# KiCad board The Typeuwu.kicad_pcb (continued)
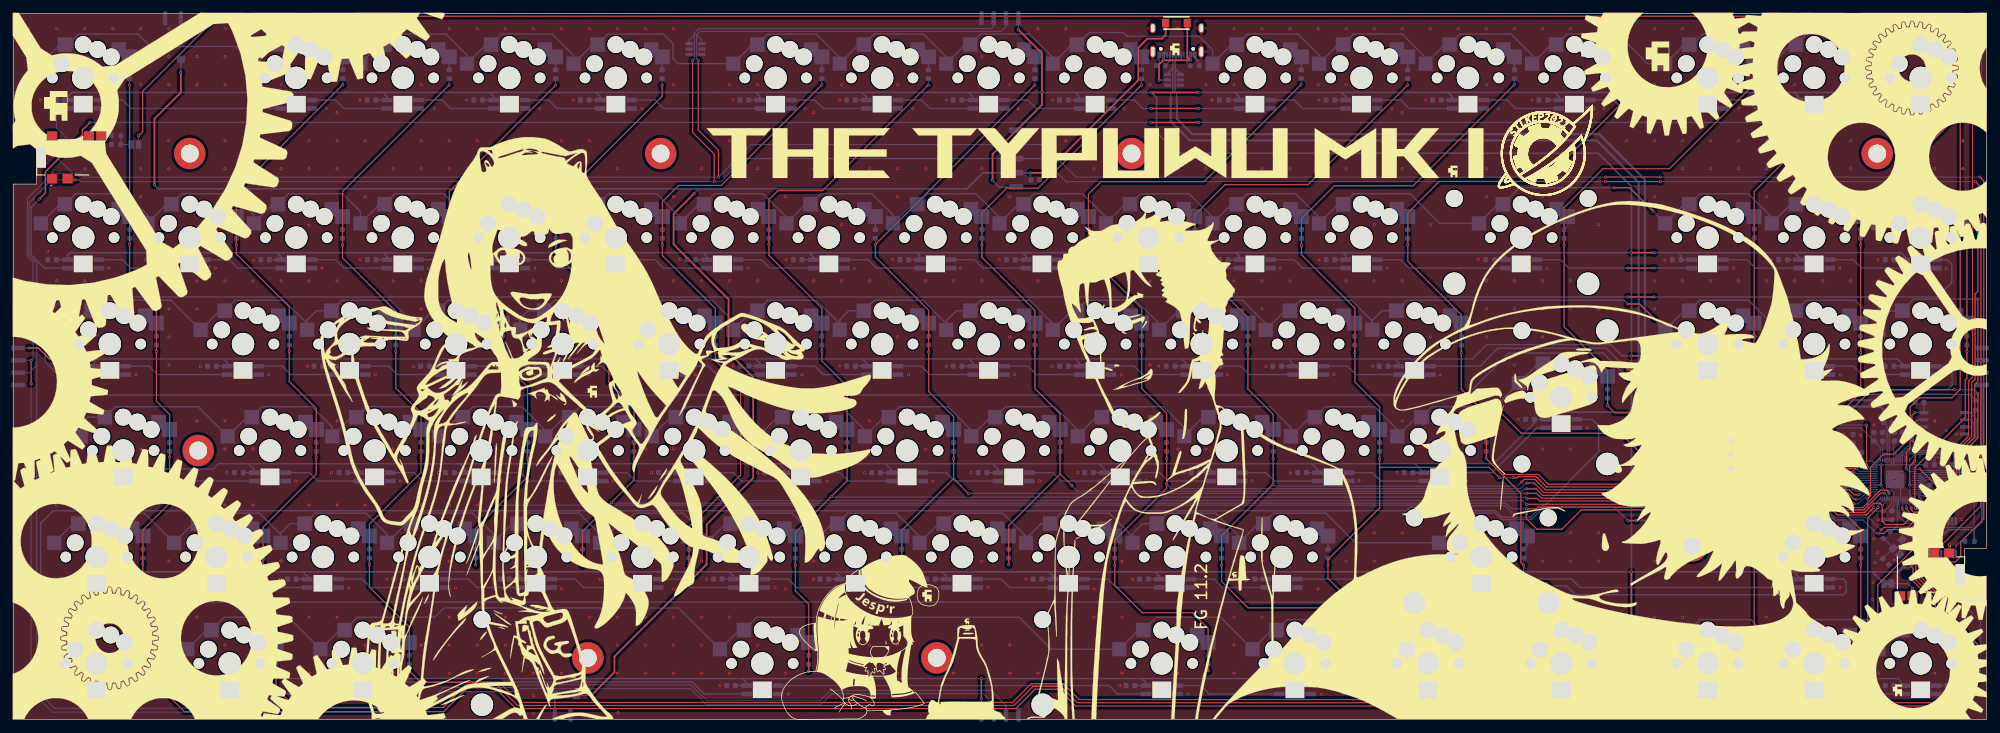
[diagram p0: board, top side]
## Routing (per net, layer and track width the routed paths; a pad name or vN(x,y) marks a point on that pad's centre or on a via; arc(x,y) is an arc through that point) (continued)
  Bottom w0.2: v1(284,96) 188.2,96 188,95.8 183.7,100.1 J7.3 130.4,100.1 126.3,96 v1(125.05,96) 12.1,96 11.8,96.3 ; 11.8,96.3 6.9,96.3 2.85,92.25 2.85,82.8 4.2,81.45 4.2,63.2 ; 11.8,96.3 v1(11.1,96.3) ; v1(121.2,117.6) 121.5,117.9 121.5,122.2 ; J5.2 174.9,123.7 174.5,123.3 122.3,123.3 121.5,122.5 121.5,122.2 ; 121.5,122.2 120.56,121.26 U74.6 ; v1(350,96) v1(293.82,96) ; 4.2,63.2 4.2,5.2 7.4,2 73.1,2 76.8,5.7 89.8,5.7 90.3,6.2 120.9,6.2 123.65,3.45 144.05,3.45 145.8,5.2 174.4,5.2 177.1,2.5 J4.2 ; 4.2,63.2 2.9,61.9 J6.2 ; IC1.12 v1(343.9,28.1) 343.9,26.73 R20.2
I2C0_SDA_3V3: length 21.7
  Bottom w0.2: IC1.3 343.9,36.88 R18.2 344.62,37.6 347.1,37.6 348.9,39.4 348.9,43 347.8,44.1 340.9,44.1 340.25,43.45 U201.6
OUT1_FLAG: length 46.7
  Top w0.2: v1(338,27.9) 338.9,27 338.9,24.7 341.65,21.95 v1(341.65,18.55)
  Bottom w0.2: U201.5 340.19,43.85 340.76,44.43 348.07,44.43 349.8,42.7 349.8,34.63 349.44,34.28 344.38,34.28 v1(338,27.9) ; v1(341.65,18.55) JP2.2
OUT2_FLAG: length 427.6
  Top w0.2: v1(22.35,104.15) 23.1,104.9 23.1,112.1 36.5,125.5 342.1,125.5 348.98,118.62 348.98,109.18 347.3,107.5 347.3,58.9 345.8,57.4 340,57.4 338.37,55.77 338.37,48.37 337.7,47.7 v1(337.7,44.8)
  Bottom w0.2: v1(337.7,44.8) 338.25,44.25 U201.4 ; v1(22.35,104.15) JP4.2
ROW1: length 513.3
  Top w0.2: v1(345.9,43.2) 346.2,43.5 346.2,48 348.8,50.6 348.8,60.4 349.5,61.1 349.5,110 v1(351.1,111.6)
  Bottom w0.2: U105.1 338.85,122.33 347.43,122.33 351.1,118.65 v1(351.1,111.6) ; v1(345.9,43.2) 341,43.2 340.45,42.65 U201.8
  Bottom w0.25: U105.1 336.1,120.45 U105.1 332.69,118.14 328.51,122.33 319.85,122.33 U104.1 317.2,120.45 313.79,117.04 U104.1 313.69,118.14 309.51,122.33 301.47,122.33 299.6,120.45 U103.1 298.1,120.45 U103.1 291.51,117.04 286.23,122.33 277.1,122.33 U102.1 274.35,120.45 U102.1 270.94,118.56 267.17,122.33 258.1,122.33 U101.1 255.35,120.45 U101.1 251.94,118.14 247.76,122.33 239.1,122.33 U100.1 236.35,120.45 U100.1 232.94,118.56 229.17,122.33 220.1,122.33 U99.1 217.35,120.45 U99.1 213.94,119.51 211.5,121.95 198.65,121.95 198,122.6 191.88,122.6 U98.1 188.85,120.45 U98.1 185.44,118.14 181.26,122.33 172.6,122.33 U97.1 169.85,120.45 U97.1 166.44,118.21 162.32,122.33 153.6,122.33 U96.1 150.85,120.45 U96.1 147.44,118.14 143.26,122.33 134.6,122.33 U95.1 131.85,120.45 U95.1 118.56,117.04 117.7,117.9 117.7,120.6 115.97,122.33 106.1,122.33 U94.1 103.35,120.45 U94.1 99.94,118.56 96.17,122.33 87.1,122.33 U93.1 84.35,120.45 U93.1 80.94,118.56 77.17,122.33 68.1,122.33 U92.1 65.35,120.45 U92.1 61.94,118.56 58.17,122.33 49.1,122.33 U91.1 46.35,120.45 U91.1 39.88,120.1 24.5,120.1 22.27,122.33 11.72,122.33 10.62,121.23 10.62,119.75 9.93,119.75 U90.1 8.35,120.45 U90.1
ROW2: length 489.7
  Top w0.2: v1(345.9,42.3) 346.7,43.1 346.7,47.9 349.35,50.55 349.35,60.15 349.95,60.75 349.95,75.9 350.45,76.4 v1(350.45,92.15)
  Top w0.25: v1(292.55,90.7) 288.35,94.9 v1(285.55,94.9)
  Bottom w0.2: U201.9 340.65,42.25 341.15,42.75 344.75,42.75 345.2,42.3 v1(345.9,42.3)
  Bottom w0.25: U1.1 8.35,91.95 U1.1 11.1,93.83 20.17,93.83 23.94,90.06 U2.1 27.35,91.95 U2.1 30.1,93.83 39.17,93.83 42.94,90.06 U3.1 46.35,91.95 U3.1 49.1,93.83 58.77,93.83 61.94,90.66 U4.1 65.35,91.95 U4.1 68.1,93.83 76.78,93.83 80.94,89.66 U5.1 84.35,91.95 U5.1 87.1,93.83 96.17,93.83 99.94,90.06 U6.1 103.35,91.95 U6.1 106.1,93.83 114.76,93.83 118.94,89.64 U7.1 122.35,91.95 U7.1 125.1,93.83 133.76,93.83 137.94,89.64 U8.1 141.35,91.95 U8.1 144.1,93.83 153.17,93.83 156.94,90.06 U9.1 160.35,91.95 U9.1 163.1,93.83 171.76,93.83 175.94,89.64 U10.1 179.35,91.95 U10.1 182.1,93.83 190.76,93.83 194.94,89.64 U11.1 198.35,91.95 U11.1 201.1,93.83 209.76,93.83 213.94,89.64 U12.1 217.35,91.95 U12.1 220.1,93.83 228.76,93.83 232.94,89.64 U13.1 236.35,91.95 U13.1 239.1,93.83 249.18,93.83 254.46,88.54 U14.1 264.85,91.95 U14.1 268.68,94.9 v1(285.55,94.9) ; v1(292.55,90.7) 294.69,88.56 U63.1 298.1,91.95 U63.1 300.85,93.83 309.51,93.83 313.69,89.64 U64.1 317.1,91.95 U64.1 319.85,93.83 328.51,93.83 332.69,89.64 U65.1 332.69,89.84 334.8,91.95 U65.1 338.85,93.83 348.77,93.83 v1(350.45,92.15)
ROW3: length 467.8
  Top w0.2: v1(345.9,41.45) 347.2,42.75 347.2,47.7 349.9,50.4 349.9,59.75 350.45,60.3 v1(350.45,75.05)
  Top w0.25: v1(292.75,71.5) 290.1,74.15 v1(288,74.15)
  Bottom w0.2: v1(345.9,41.45) 345.6,41.45 345.1,40.95 340.7,40.95 340.2,41.45 U201.11
  Bottom w0.25: v1(292.75,71.5) 292.75,71.48 U66.1 298.1,72.95 U66.1 300.85,74.83 309.52,74.83 313.69,70.66 U67.1 317.1,72.95 U67.1 319.85,74.83 328.51,74.83 332.69,70.64 U68.1 332.69,71.19 334.41,72.91 334.8,72.91 334.81,72.9 336.93,72.9 U68.1 339.05,75.03 350.43,75.03 v1(350.45,75.05) ; U15.1 13.1,72.95 U15.1 15.85,74.83 28.15,74.83 U16.1 36.85,72.95 U16.1 39.6,74.83 48.26,74.83 52.44,70.64 U17.1 52.44,71.29 54.1,72.95 U17.1 58.6,74.83 67.28,74.83 71.44,70.66 U18.1 74.85,72.95 U18.1 77.6,74.83 86.67,74.83 90.44,71.06 U19.1 90.44,71.59 91.8,72.95 U19.1 96.6,74.83 105.26,74.83 109.44,70.64 U20.1 109.44,71.19 111.2,72.95 U20.1 115.6,74.83 124.67,74.83 128.44,71.06 U21.1 131.85,72.95 U21.1 134.6,74.83 143.26,74.83 147.44,70.64 U22.1 147.44,71.34 149.05,72.95 U22.1 153.6,74.83 162.26,74.83 166.44,70.64 U23.1 166.44,71.14 168.25,72.95 U23.1 172.6,74.83 181.26,74.83 185.44,70.64 U24.1 188.85,72.95 U24.1 191.6,74.83 200.26,74.83 204.44,70.64 U25.1 207.85,72.95 U25.1 210.6,74.83 219.26,74.83 223.44,70.64 U26.1 226.85,72.95 U26.1 229.6,74.83 238.67,74.83 242.44,71.06 U27.1 242.44,71.24 244.15,72.95 U27.1 248.6,74.83 287.32,74.83 v1(288,74.15)
ROW4: length 453.8
  Top w0.2: v1(346.25,58.85) 331.45,58.85 321.53,48.93 321.53,48.43 320.5,47.4 319.05,47.4 314.25,42.6 295.2,42.6 286.7,51.1 269,51.1 v1(264.3,55.8) ; v1(350.45,58.2) 350.45,50.25 347.7,47.5 347.7,42.3 345.95,40.55 v1(345.9,40.55)
  Bottom w0.2: v1(346.25,58.85) 349.8,58.85 v1(350.45,58.2) ; v1(345.9,40.55) 340.4,40.55 339.9,41.05 U201.12
  Bottom w0.25: U28.1 271.97,63.45 U28.1 264.34,55.83 264.32,55.83 v1(264.3,55.8) 264.27,55.83 253.07,55.83 U41.1 250.32,53.95 U41.1 246.91,51.74 242.82,55.83 234.07,55.83 U40.1 231.32,53.95 U40.1 227.91,52.06 224.14,55.83 215.07,55.83 U39.1 212.2,53.95 208.91,50.66 U39.1 208.91,52.06 205.14,55.83 196.07,55.83 U38.1 193.2,53.95 189.91,50.66 U38.1 189.91,51.64 185.73,55.83 177.07,55.83 U37.1 174.32,53.95 U37.1 170.91,51.64 166.73,55.83 158.07,55.83 U36.1 155.32,53.95 U36.1 151.91,51.64 147.73,55.83 139.07,55.83 U35.1 136.32,53.95 U35.1 132.91,51.64 128.73,55.83 120.07,55.83 U34.1 117.32,53.95 U34.1 113.91,52.06 110.14,55.83 101.07,55.83 U33.1 98.32,53.95 U33.1 94.91,51.64 90.73,55.83 82.07,55.83 U32.1 79.32,53.95 U32.1 75.91,51.64 71.73,55.83 63.07,55.83 U31.1 60.32,53.95 U31.1 56.91,52.19 53.27,55.83 44.42,55.83 U30.1 41.67,53.95 U30.1 32.97,55.83 18.23,55.83 U29.1 13.3,53.95 12.06,52.71 U29.1
ROW5: length 411
  Top w0.2: v1(337.7,37.8) 337.7,37.5 338.55,36.65 339.05,36.65 339.6,36.1 339.6,35.2 338.3,33.9 334.4,33.9 333.7,33.2 v1(332.75,33.2)
  Top w0.25: v1(289.55,35.5) v1(288.02,35.5)
  Bottom w0.2: v1(337.7,37.8) 337.7,38.4 337.45,38.65 U201.17
  Bottom w0.25: v1(332.75,33.2) 332.35,33.2 329.95,35.6 328.98,35.6 328.96,35.61 326.16,35.61 326.14,35.6 324.92,35.6 323.7,36.83 319.85,36.83 U69.1 317.1,34.95 U69.1 313.31,31.54 309.35,35.5 v1(289.55,35.5) ; v1(288.02,35.5) 285.64,37.88 273.03,37.88 270.84,35.7 265.45,35.7 264.32,36.83 260.48,36.83 U54.1 257.72,34.95 U54.1 239.41,31.54 234.12,36.83 224.85,36.83 U53.1 222.1,34.95 U53.1 218.69,32.64 214.51,36.83 205.85,36.83 U52.1 201.45,34.95 199.69,33.19 U52.1 199.69,32.64 195.51,36.83 186.85,36.83 U51.1 183.35,34.95 180.69,32.29 U51.1 180.69,32.64 176.51,36.83 167.85,36.83 U50.1 165.1,34.95 U50.1 161.69,32.64 157.51,36.83 148.85,36.83 U49.1 146.1,34.95 U49.1 142.69,33.06 138.92,36.83 129.85,36.83 U48.1 127.1,34.95 U48.1 123.69,32.64 119.51,36.83 110.85,36.83 U47.1 108.1,34.95 U47.1 104.69,33.06 100.92,36.83 91.85,36.83 U46.1 89.1,34.95 U46.1 85.69,33.06 81.92,36.83 72.85,36.83 U45.1 70.1,34.95 U45.1 66.69,33.06 62.92,36.83 53.85,36.83 U44.1 49.4,34.95 47.69,33.24 U44.1 47.69,33.06 43.92,36.83 34.85,36.83 U43.1 32.1,34.95 U43.1 23.4,36.83 13.47,36.83 U42.1 10.72,34.95 U42.1
ROW6: length 410.8
  Top w0.2: v1(331.75,17.8) 332.6,18.65 332.6,24.05 341.15,32.6 341.15,35.7 339.85,37 339,37 338.55,37.45 v1(338.55,37.75)
  Bottom w0.2: U201.16 337.85,38.73 338.55,38.02 v1(338.55,37.75)
  Bottom w0.25: 328.51,17.83 328.53,17.8 v1(331.75,17.8) ; 328.51,17.83 332.69,13.64 U72.1 336.1,15.95 U72.1 ; 328.51,17.83 319.85,17.83 U71.1 316.05,15.95 313.69,13.59 U71.1 313.69,14.06 309.92,17.83 300.85,17.83 U70.1 298.1,15.95 U70.1 289.4,17.83 274.73,17.83 U62.1 271.97,15.95 U62.1 263.28,17.83 250.97,17.83 U61.1 248.22,15.95 U61.1 239.53,17.83 227.22,17.83 U60.1 224.47,15.95 U60.1 215.35,18.25 203.9,18.25 U59.1 200.72,15.95 U59.1 185.16,12.54 179.45,18.25 132.65,18.25 U58.1 129.47,15.95 U58.1 118.7,19.9 76.85,19.9 75.2,18.25 61.4,18.25 U57.1 58.22,15.95 U57.1 49.1,18.25 37.65,18.25 U56.1 34.47,15.95 U56.1 25.35,18.25 13.9,18.25 U55.1 10.72,15.95 U55.1
USBD+: length 188.7
  Bottom w0.25: 207.5,117.76 208.2,117.76 208.35,117.91 208.35,118.65 ; 207.5,117.76 207.26,117.52 207.26,116.2 ; 207.5,117.76 207.35,117.91 207.35,118.65 ; 207.26,116.2 207.26,116.19 208.19,115.26 U73.1 ; 207.26,116.2 207.26,112.09 207.55,111.8 207.55,111.04 207.59,111
  Bottom w0.412: 207.59,111 207.59,107.2 210.33,104.46 282.93,104.46 291.06,96.33 291.06,57.04 292.24,55.86 297.87,55.86 298.97,56.96 333.74,56.96 335.23,55.48 R4.1
USBD-: length 189.4
  Bottom w0.25: 206.85,116.25 206.85,112.1 206.5,111.75 206.5,111.02 206.48,111 ; 206.85,116.25 205.91,115.31 U73.6 ; 206.85,116.25 J1.B7 206.85,119.35 207,119.5 207.7,119.5 207.85,119.35 J1.A7
  Bottom w0.412: R5.1 333.7,55.2 333.06,55.84 299.43,55.84 298.33,54.74 291.56,54.74 289.94,56.36 289.94,95.87 282.47,103.34 209.87,103.34 206.48,106.74 206.48,111
Net-(C1-Pad2): length 5.2
  Bottom w0.2: C1.2 333.52,28.7 Y1.1 333.61,32.34 R1.1
Net-(D1-A): length 2.3
  Bottom w0.25: D1.2 20.77,87.46 U1.2
Net-(D2-A): length 2.3
  Bottom w0.25: U2.2 39.77,87.46 D2.2
Net-(D02-A): length 3.4
  Bottom w0.3: J8.2 D02.2
Net-(D3-A): length 2.3
  Bottom w0.25: D3.2 58.77,87.46 U3.2
Net-(D03-A): length 3.5
  Bottom w0.3: D03.2 96.6,4.27 96.6,0.91 96.56,0.87
Net-(D4-A): length 2.3
  Bottom w0.25: D4.2 77.78,87.46 U4.2
Net-(D5-A): length 2.3
  Bottom w0.25: U5.2 96.78,87.46 D5.2
Net-(D6-A): length 2.3
  Bottom w0.25: D6.2 115.78,87.46 U6.2
Net-(D7-A): length 2.3
  Bottom w0.25: U7.2 134.78,87.46 D7.2
Net-(D8-A): length 2.3
  Bottom w0.25: U8.2 153.78,87.46 D8.2
Net-(D9-A): length 2.3
  Bottom w0.25: D9.2 172.78,87.46 U9.2
Net-(D10-A): length 2.3
  Bottom w0.25: D10.2 191.78,87.46 U10.2
Net-(D11-A): length 2.3
  Bottom w0.25: U11.2 210.78,87.46 D11.2
Net-(D12-A): length 2.3
  Bottom w0.25: D12.2 229.78,87.46 U12.2
Net-(D13-A): length 2.3
  Bottom w0.25: U13.2 248.78,87.46 D13.2
Net-(D14-A): length 2.6
  Bottom w0.25: D14.2 277.27,88.06 U14.2
Net-(D15-A): length 2.2
  Bottom w0.25: U15.2 25.52,68.56 25.55,68.54
Net-(D16-A): length 2.3
  Bottom w0.25: U16.2 49.27,68.51 49.25,68.49
Net-(D17-A): length 2.2
  Bottom w0.25: U17.2 68.28,68.58 68.25,68.55
Net-(D18-A): length 2.4
  Bottom w0.2: D18.2 87.28,68.42 U18.2
Net-(D19-A): length 2.2
  Bottom w0.25: U19.2 106.28,68.56 106.25,68.54
Net-(D20-A): length 2.2
  Bottom w0.25: U20.2 125.28,68.55 125.25,68.53
Net-(D21-A): length 2.2
  Bottom w0.25: U21.2 144.28,68.56 144.25,68.54
Net-(D22-A): length 2.2
  Bottom w0.25: U22.2 163.28,68.55 163.3,68.53
Net-(D23-A): length 2.2
  Bottom w0.25: U23.2 182.28,68.6 182.25,68.58
Net-(D24-A): length 2.2
  Bottom w0.25: 201.3,68.53 201.28,68.55 U24.2
Net-(D25-A): length 2.1
  Bottom w0.25: U25.2 220.28,68.65 220.25,68.62
Net-(D26-A): length 2.2
  Bottom w0.25: U26.2 239.28,68.55 239.3,68.53
Net-(D27-A): length 2.2
  Bottom w0.25: 258.3,68.54 258.27,68.56 U27.2
Net-(D28-A): length 2.2
  Bottom w0.25: 284.4,59.02 284.39,59.03 U28.2
Net-(D29-A): length 2.2
  Bottom w0.25: U29.2 27.9,49.52
Net-(D30-A): length 2.4
  Bottom w0.25: 54.05,49.4 54.09,49.45 U30.2
Net-(D31-A): length 2.5
  Bottom w0.25: U31.2 72.75,49.29
Net-(D32-A): length 2.3
  Bottom w0.25: D32.2 91.75,49.44 U32.2
Net-(D33-A): length 2.4
  Bottom w0.25: U33.2 110.75,49.38
Net-(D34-A): length 2.2
  Bottom w0.25: U34.2 129.75,49.54 129.75,49.54
Net-(D35-A): length 2.3
  Bottom w0.25: U35.2 148.75,49.44 D35.2
Net-(D36-A): length 2.2
  Bottom w0.25: 167.75,49.54 167.75,49.54 U36.2
Net-(D37-A): length 2.3
  Bottom w0.25: D37.2 186.75,49.44 U37.2
Net-(D38-A): length 2.3
  Bottom w0.25: U38.2 205.75,49.43
Net-(D39-A): length 2.3
  Bottom w0.25: U39.2 224.75,49.43
Net-(D40-A): length 2.2
  Bottom w0.25: 243.75,49.52 243.75,49.53 U40.2
Net-(D41-A): length 2.2
  Bottom w0.25: U41.2 262.75,49.53 262.75,49.52
Net-(D42-A): length 2.4
  Bottom w0.25: U42.2 D42.2
Net-(D43-A): length 2.4
  Bottom w0.25: D43.2 44.52,30.41 U43.2
Net-(D44-A): length 2.4
  Bottom w0.25: D44.2 63.52,30.41 U44.2
Net-(D45-A): length 2.4
  Bottom w0.25: D45.2 82.53,30.41 U45.2
Net-(D46-A): length 2.4
  Bottom w0.25: D46.2 101.53,30.41 U46.2
Net-(D47-A): length 2.4
  Bottom w0.25: U47.2 120.53,30.41 D47.2
Net-(D48-A): length 2.4
  Bottom w0.25: D48.2 139.53,30.41 U48.2
Net-(D49-A): length 2.4
  Bottom w0.25: D49.2 158.53,30.41 U49.2
Net-(D50-A): length 2.4
  Bottom w0.25: D50.2 177.53,30.41 U50.2
Net-(D51-A): length 2.4
  Bottom w0.25: U51.2 196.53,30.41 D51.2
Net-(D52-A): length 2.4
  Bottom w0.25: D52.2 215.55,32.73 U52.2
Net-(D53-A): length 2.4
  Bottom w0.25: U53.2 234.53,30.41 D53.2
Net-(D54-A): length 2.7
  Bottom w0.25: U54.2 270.15,31.09 D54.2
Net-(D55-A): length 2.3
  Bottom w0.25: U55.2 D55.2
Net-(D56-A): length 2.3
  Bottom w0.25: U56.2 D56.2
Net-(D57-A): length 2.3
  Bottom w0.25: U57.2 D57.2
Net-(D58-A): length 2.3
  Bottom w0.25: U58.2 D58.2
Net-(D59-A): length 2.3
  Bottom w0.25: U59.2 D59.2
Net-(D60-A): length 2.3
  Bottom w0.25: U60.2 D60.2
Net-(D61-A): length 2.3
  Bottom w0.25: U61.2 D61.2
Net-(D62-A): length 2.3
  Bottom w0.25: U62.2 D62.2
Net-(D63-A): length 2.2
  Bottom w0.25: D63.2 310.52,87.55 U63.2
Net-(D64-A): length 2.3
  Bottom w0.25: D64.2 329.52,87.5 U64.2
Net-(D65-A): length 2.2
  Bottom w0.25: U65.2 348.52,87.56 D65.2
Net-(D66-A): length 2.2
  Bottom w0.25: U66.2 310.52,68.56 310.5,68.54
Net-(D67-A): length 2.3
  Bottom w0.25: U67.2 329.52,68.51 329.5,68.49
Net-(D68-A): length 2.2
  Bottom w0.25: 348.5,68.53 348.5,70.72 U68.2
Net-(D69-A): length 2.4
  Bottom w0.25: U69.2 329.52,30.41 D69.2
Net-(D70-A): length 2.3
  Bottom w0.25: D70.2 310.52,11.46 U70.2
Net-(D71-A): length 2.3
  Bottom w0.25: D71.2 329.52,11.46 U71.2
Net-(D72-A): length 2.3
  Bottom w0.25: D72.2 348.52,11.46 U72.2
Net-(D90-A): length 2.3
  Bottom w0.25: U90.2 20.77,115.96 D90.2
Net-(D91-A): length 2.3
  Bottom w0.25: D91.2 58.77,115.96 U91.2
Net-(D92-A): length 2.3
  Bottom w0.25: U92.2 77.78,115.96 D92.2
Net-(D93-A): length 2.3
  Bottom w0.25: D93.2 96.78,115.96 U93.2
Net-(D94-A): length 2.3
  Bottom w0.25: U94.2 115.78,115.96 D94.2
Net-(D95-A): length 2.3
  Bottom w0.25: U95.2 144.28,115.96 D95.2
Net-(D96-A): length 2.3
  Bottom w0.25: D96.2 163.28,115.96 U96.2
Net-(D97-A): length 2.3
  Bottom w0.25: U97.2 182.28,115.96 D97.2
Net-(D98-A): length 2.3
  Bottom w0.25: D98.2 201.28,115.96 U98.2
Net-(D99-A): length 2.3
  Bottom w0.25: D99.2 229.78,115.96 U99.2
Net-(D100-A): length 2.3
  Bottom w0.25: U100.2 248.78,115.96 D100.2
Net-(D101-A): length 2.3
  Bottom w0.25: U101.2 267.77,115.96 D101.2
Net-(D102-A): length 2.3
  Bottom w0.25: D102.2 286.77,115.96 U102.2
Net-(D103-A): length 2.3
  Bottom w0.25: U103.2 310.52,116.01 D103.2
Net-(D104-A): length 2.3
  Bottom w0.25: U104.2 329.52,115.95 D104.2
Net-(D105-A): length 2.4
  Bottom w0.25: D105.2 348.52,115.9 U105.2
Net-(DL1-K): length 1.6
  Bottom w0.2: DL1.1 301.85,46.58 R10.1
Net-(DL2-K): length 1.6
  Bottom w0.2: R11.1 298.5,46.59 DL2.1
Net-(IC1-EN): length 3.4
  Bottom w0.2: IC1.8 346.5,30.9 347.4,31.8 R21.2
Net-(J1-CC1): length 2.3
  Bottom w0.25: R6.1 206.35,117.53 J1.A5
Net-(J1-CC2): length 2.1
  Bottom w0.25: J1.B5 209.35,117.28 R7.1
Net-(JP1-A): length 5.5
  Top w0.2: v1(338.8,23.42) S1.2
  Bottom w0.2: v1(338.8,23.42) 337.98,24.25 JP1.1
Net-(JP2-A): length 3.6
  Bottom w0.2: R13.2 R12.2 338.27,20.08 JP2.1
Net-(JP3-A): length 3.2
  Top w0.2: S2.2 14,103.65 v1(14,102.85)
  Bottom w0.2: v1(14,102.85) 13.05,101.9 JP3.1
Net-(JP4-A): length 3.4
  Bottom w0.2: R15.2 R16.2 JP4.1
Net-(S1-TIP_SWITCH): length 2
  Top w0.2: v1(336.6,21.03) S1.10
  Bottom w0.2: R12.1 v1(336.6,21.03)
Net-(S2-TIP_SWITCH): length 1.8
  Top w0.2: v1(16.9,104.15) S2.10
  Bottom w0.2: R15.1 v1(16.9,104.15)
Net-(U1-Din): length 14
  Bottom w0.25: U1.3 19.5,82.05 21,80.55 U2.5
Net-(U1-Dout): length 373.5
  Top w0.25: v1(4.65,92.85) 5.75,93.95 5.75,97.75 12.35,104.35 12.35,105.2 v1(13.7,106.55) ; v1(211.45,106.55) v1(203,106.55)
  Bottom w0.25: v1(211.45,106.55) 344.85,106.55 346.1,107.8 346.1,109.45 345,110.55 U105.3 ; U1.5 5.6,80.55 3.2,82.95 3.2,91.4 v1(4.65,92.85) ; v1(203,106.55) v1(13.7,106.55)
Net-(U2-Din): length 14
  Bottom w0.25: U3.5 40,80.55 38.5,82.05 U2.3
Net-(U3-Din): length 14
  Bottom w0.25: U3.3 57.5,82.05 59,80.55 U4.5
Net-(U4-Din): length 14
  Bottom w0.25: U5.5 78,80.55 76.5,82.05 U4.3
Net-(U5-Din): length 14
  Bottom w0.25: U6.5 96.95,80.55 95.45,82.05 U5.3
Net-(U6-Din): length 14
  Bottom w0.25: U6.3 114.5,82.05 116,80.55 U7.5
Net-(U7-Din): length 14
  Bottom w0.25: U8.5 135,80.55 133.5,82.05 U7.3
Net-(U8-Din): length 14
  Bottom w0.25: U9.5 154,80.55 152.5,82.05 U8.3
Net-(U10-Din): length 14
  Bottom w0.25: U10.3 190.5,82.05 192,80.55 U11.5
Net-(U10-Dout): length 14
  Bottom w0.25: U9.3 171.5,82.05 173,80.55 U10.5
Net-(U11-Din): length 14
  Bottom w0.25: U11.3 209.5,82.05 211,80.55 U12.5
Net-(U12-Din): length 14
  Bottom w0.25: U12.3 228.5,82.05 230,80.55 U13.5
Net-(U13-Din): length 23.5
  Bottom w0.25: U14.5 249,80.55 247.5,82.05 U13.3
Net-(U14-Din): length 28.3
  Top w0.25: v1(288.05,80.55) v1(292.75,80.55)
  Bottom w0.25: U14.3 276,82.05 277.5,80.55 v1(288.05,80.55) ; v1(292.75,80.55) U63.5
Net-(U15-Din): length 18.8
  Bottom w0.25: U15.3 24.25,63.05 25.75,61.55 U16.5
Net-(U15-Dout): length 366.8
  Top w0.25: v1(288,75.4) v1(292.7,75.4)
  Bottom w0.25: U65.3 345,82.05 345.8,81.25 345.8,77.95 343.26,75.41 292.71,75.41 v1(292.7,75.4) ; U15.5 7.95,61.55 5.7,63.8 5.7,71.9 9.21,75.41 287.99,75.41 v1(288,75.4)
Net-(U16-Din): length 14
  Bottom w0.25: U16.3 48,63.05 49.5,61.55 U17.5
Net-(U17-Din): length 14
  Bottom w0.25: U17.3 67,63.05 68.5,61.55 U18.5
Net-(U18-Din): length 14
  Bottom w0.25: U19.5 87.5,61.55 86,63.05 U18.3
Net-(U19-Din): length 14
  Bottom w0.25: U20.5 106.5,61.55 105,63.05 U19.3
Net-(U20-Din): length 14
  Bottom w0.25: U20.3 124,63.05 125.5,61.55 U21.5
Net-(U21-Din): length 14
  Bottom w0.25: U22.5 144.5,61.55 143,63.05 U21.3
Net-(U22-Din): length 14
  Bottom w0.25: U23.5 163.5,61.55 162,63.05 U22.3
Net-(U23-Din): length 14
  Bottom w0.25: U23.3 181,63.05 182.5,61.55 U24.5
Net-(U24-Din): length 14
  Bottom w0.25: U24.3 200,63.05 201.5,61.55 U25.5
Net-(U25-Din): length 14
  Bottom w0.25: U26.5 220.5,61.55 219,63.05 U25.3
Net-(U26-Din): length 14
  Bottom w0.25: U27.5 239.5,61.55 238,63.05 U26.3
Net-(U27-Din): length 49.9
  Top w0.25: v1(292.75,61.55) 291.93,62.38 v1(288.02,62.38)
  Bottom w0.25: U27.3 261.65,63.05 264.85,66.25 284.15,66.25 v1(288.02,62.38) ; v1(292.75,61.55) U66.5
Net-(U28-Din): length 312
  Bottom w0.25: U28.3 281.65,53.55 282.8,52.4 282.8,47.75 273.31,38.26 272.87,38.26 270.71,36.1 265.58,36.1 264.43,37.25 251.36,37.25 250.72,37.88 249.15,37.88 248.52,37.25 7.15,37.25 4.9,35 4.9,24 5.35,23.55 U42.5
Net-(U28-Dout): length 19.4
  Bottom w0.25: U41.3 263.8,44.05 271.8,52.05 U28.5
Net-(U29-Din): length 21.2
  Bottom w0.25: U29.3 26.6,44.05 28.1,42.55 U30.5
Net-(U29-Dout): length 371.7
  Top w0.25: v1(288.02,60.98) 291.55,57.45 v1(296.6,57.45)
  Bottom w0.25: U68.3 344.75,63.05 345.85,61.95 345.85,59.7 345,58.85 298,58.85 v1(296.6,57.45) ; v1(288.02,60.98) 283.6,65.4 266.8,65.4 259.3,57.9 11.65,57.9 7.6,53.85 7.6,45.2 10.25,42.55 U29.5
Net-(U30-Din): length 13.7
  Bottom w0.25: U31.5 54.35,42.55 52.85,44.05 U30.3
Net-(U31-Din): length 14
  Bottom w0.25: U32.5 73,42.55 71.5,44.05 U31.3
Net-(U32-Din): length 14
  Bottom w0.25: U33.5 91.95,42.55 90.45,44.05 U32.3
Net-(U33-Din): length 14
  Bottom w0.25: U33.3 109.5,44.05 111,42.55 U34.5
Net-(U34-Din): length 14
  Bottom w0.25: U34.3 128.45,44.05 129.95,42.55 U35.5
Net-(U35-Din): length 14
  Bottom w0.25: U35.3 147.45,44.05 148.95,42.55 U36.5
Net-(U36-Din): length 14
  Bottom w0.25: U36.3 166.45,44.05 167.95,42.55 U37.5
Net-(U37-Din): length 14
  Bottom w0.25: U38.5 186.95,42.55 185.45,44.05 U37.3
Net-(U38-Din): length 14
  Bottom w0.25: U39.5 205.95,42.55 204.45,44.05 U38.3
Net-(U39-Din): length 14
  Bottom w0.25: U40.5 224.95,42.55 223.45,44.05 U39.3
Net-(U40-Din): length 14
  Bottom w0.25: U40.3 242.45,44.05 243.95,42.55 U41.5
Net-(U42-Din): length 16.4
  Bottom w0.25: U42.3 21.85,25.05 23.35,23.55 U43.5
Net-(U43-Din): length 14
  Bottom w0.25: U44.5 44.75,23.55 43.25,25.05 U43.3
Net-(U44-Din): length 14
  Bottom w0.25: U44.3 62.25,25.05 63.75,23.55 U45.5
Net-(U45-Din): length 14
  Bottom w0.25: U46.5 82.75,23.55 81.25,25.05 U45.3
Net-(U46-Din): length 14
  Bottom w0.25: U46.3 100.25,25.05 101.75,23.55 U47.5
Net-(U47-Din): length 14
  Bottom w0.25: U47.3 119.25,25.05 120.75,23.55 U48.5
Net-(U48-Din): length 14
  Bottom w0.25: U48.3 138.25,25.05 139.75,23.55 U49.5
Net-(U49-Din): length 14
  Bottom w0.25: U50.5 158.75,23.55 157.25,25.05 U49.3
Net-(U50-Din): length 14
  Bottom w0.25: U51.5 177.75,23.55 176.25,25.05 U50.3
Net-(U51-Din): length 14
  Bottom w0.25: U52.5 196.75,23.55 195.25,25.05 U51.3
Net-(U52-Din): length 14
  Bottom w0.25: U53.5 215.75,23.55 214.25,25.05 U52.3
Net-(U53-Din): length 30.6
  Bottom w0.25: U54.5 259.02,23.6 254.15,23.6 252.7,25.05 U53.3
Net-(U54-Din): length 54.4
  Bottom w0.25: U54.3 278,25.05 279.5,23.55 U69.5
Net-(U55-Din): length 18.8
  Bottom w0.25: U55.3 21.85,6.05 23.35,4.55 U56.5
Net-(U55-Dout): length 353.1
  Bottom w0.25: U55.5 6.15,4.55 4.7,6 4.7,19.15 6.5,20.95 244,20.95 246.9,23.85 252.7,23.85 255.2,21.35 269.55,21.35 272.05,23.85 277.05,23.85 278.65,22.25 326.45,22.25 326.95,22.75 326.95,24.5 326.4,25.05 U69.3
Net-(U56-Din): length 18.8
  Bottom w0.25: U56.3 45.65,6.05 47.15,4.55 U57.5
Net-(U57-Din): length 66.8
  Bottom w0.25: U57.3 65.83,6.7 121.15,6.7 123.3,4.55 U58.5
Net-(U58-Din): length 66.3
  Bottom w0.25: U59.5 197,4.55 195.5,6.05 U58.3
Net-(U59-Din): length 18.8
  Bottom w0.25: U60.5 213.35,4.55 211.85,6.05 U59.3
Net-(U60-Din): length 18.8
  Bottom w0.25: U60.3 235.65,6.05 237.15,4.55 U61.5
Net-(U61-Din): length 18.8
  Bottom w0.25: U61.3 259.4,6.05 260.9,4.55 U62.5
Net-(U62-Din): length 21.1
  Bottom w0.25: U62.3 283.1,6.05 284.6,4.55 U70.5
Net-(U63-Din): length 14
  Bottom w0.25: U63.3 309.25,82.05 310.75,80.55 U64.5
Net-(U64-Din): length 14
  Bottom w0.25: U64.3 328.25,82.05 329.75,80.55 U65.5
Net-(U66-Din): length 14
  Bottom w0.25: U66.3 309.25,63.05 310.75,61.55 U67.5
Net-(U67-Din): length 14
  Bottom w0.25: U68.5 329.75,61.55 328.25,63.05 U67.3
Net-(U70-Din): length 14
  Bottom w0.25: U71.5 310.75,4.55 309.25,6.05 U70.3
Net-(U71-Din): length 14
  Bottom w0.25: U72.5 329.7,4.55 328.2,6.05 U71.3
Net-(U72-Din): length 1.9
  Bottom w0.2: U72.3 R14.1
Net-(U90-Din): length 33
  Bottom w0.25: U90.3 19.5,110.55 21,109.05 U91.5
Net-(U91-Din): length 14
  Bottom w0.25: U91.3 57.5,110.55 59,109.05 U92.5
Net-(U92-Din): length 14
  Bottom w0.25: U92.3 76.5,110.55 78,109.05 U93.5
Net-(U93-Din): length 14
  Bottom w0.25: U93.3 95.5,110.55 97,109.05 U94.5
Net-(U94-Din): length 23.5
  Bottom w0.25: U95.5 116,109.05 114.5,110.55 U94.3
Net-(U95-Din): length 14
  Bottom w0.25: U96.5 144.5,109.05 143,110.55 U95.3
Net-(U96-Din): length 14
  Bottom w0.25: U97.5 163.5,109.05 162,110.55 U96.3
Net-(U97-Din): length 14
  Bottom w0.25: U98.5 182.5,109.05 181,110.55 U97.3
Net-(U98-Din): length 23.5
  Top w0.25: v1(211.45,109.05) v1(203,109.05)
  Bottom w0.25: v1(203,109.05) 201.5,109.05 200,110.55 U98.3 ; v1(211.45,109.05) U99.5
Net-(U100-Din): length 14
  Bottom w0.25: U101.5 249,109.05 247.5,110.55 U100.3
Net-(U100-Dout): length 14
  Bottom w0.25: U100.5 230,109.05 228.5,110.55 U99.3
Net-(U101-Din): length 14
  Bottom w0.25: U102.5 268,109.05 266.5,110.55 U101.3
Net-(U102-Din): length 18.8
  Bottom w0.25: U103.5 287,109.05 285.5,110.55 U102.3
Net-(U103-Din): length 14
  Bottom w0.25: U103.3 309.25,110.55 310.75,109.05 U104.5
Net-(U104-Din): length 14
  Bottom w0.25: U105.5 329.75,109.05 328.25,110.55 U104.3
Net-(U201-USB_DM): length 6.9
  Bottom w0.2: R5.2 334.25,52.4 U201.46
Net-(U201-USB_DP): length 6.9
  Bottom w0.2: U201.47 334.65,52.38 R4.2
Net-(U201-XIN): length 11.5
  Bottom w0.2: Y1.3 339.9,32.82 C2.2 339.9,34.15 339.05,35 337.6,35 336.4,36.2 336.4,38.39 336.25,38.54 U201.20
Net-(U201-XOUT): length 6.7
  Bottom w0.2: R1.2 334.99,33.5 336.07,34.59 336.07,38.25 335.85,38.48 U201.21
